# Altium PCB EVK-NORA-W40.PcbDoc (part 1 of 5)
Units mm, origin at the board's own origin, x right, y up, seen from the top; angles counter-clockwise.
Board outline 100 x 70 mm, 6 copper layers (L1, L2, L3, L4, L5, L6), stack 1.547 mm thick; 404 components, 228 nets, 1172 pads, 1349 vias.
Unrouted connection lines stored in the file: 69.
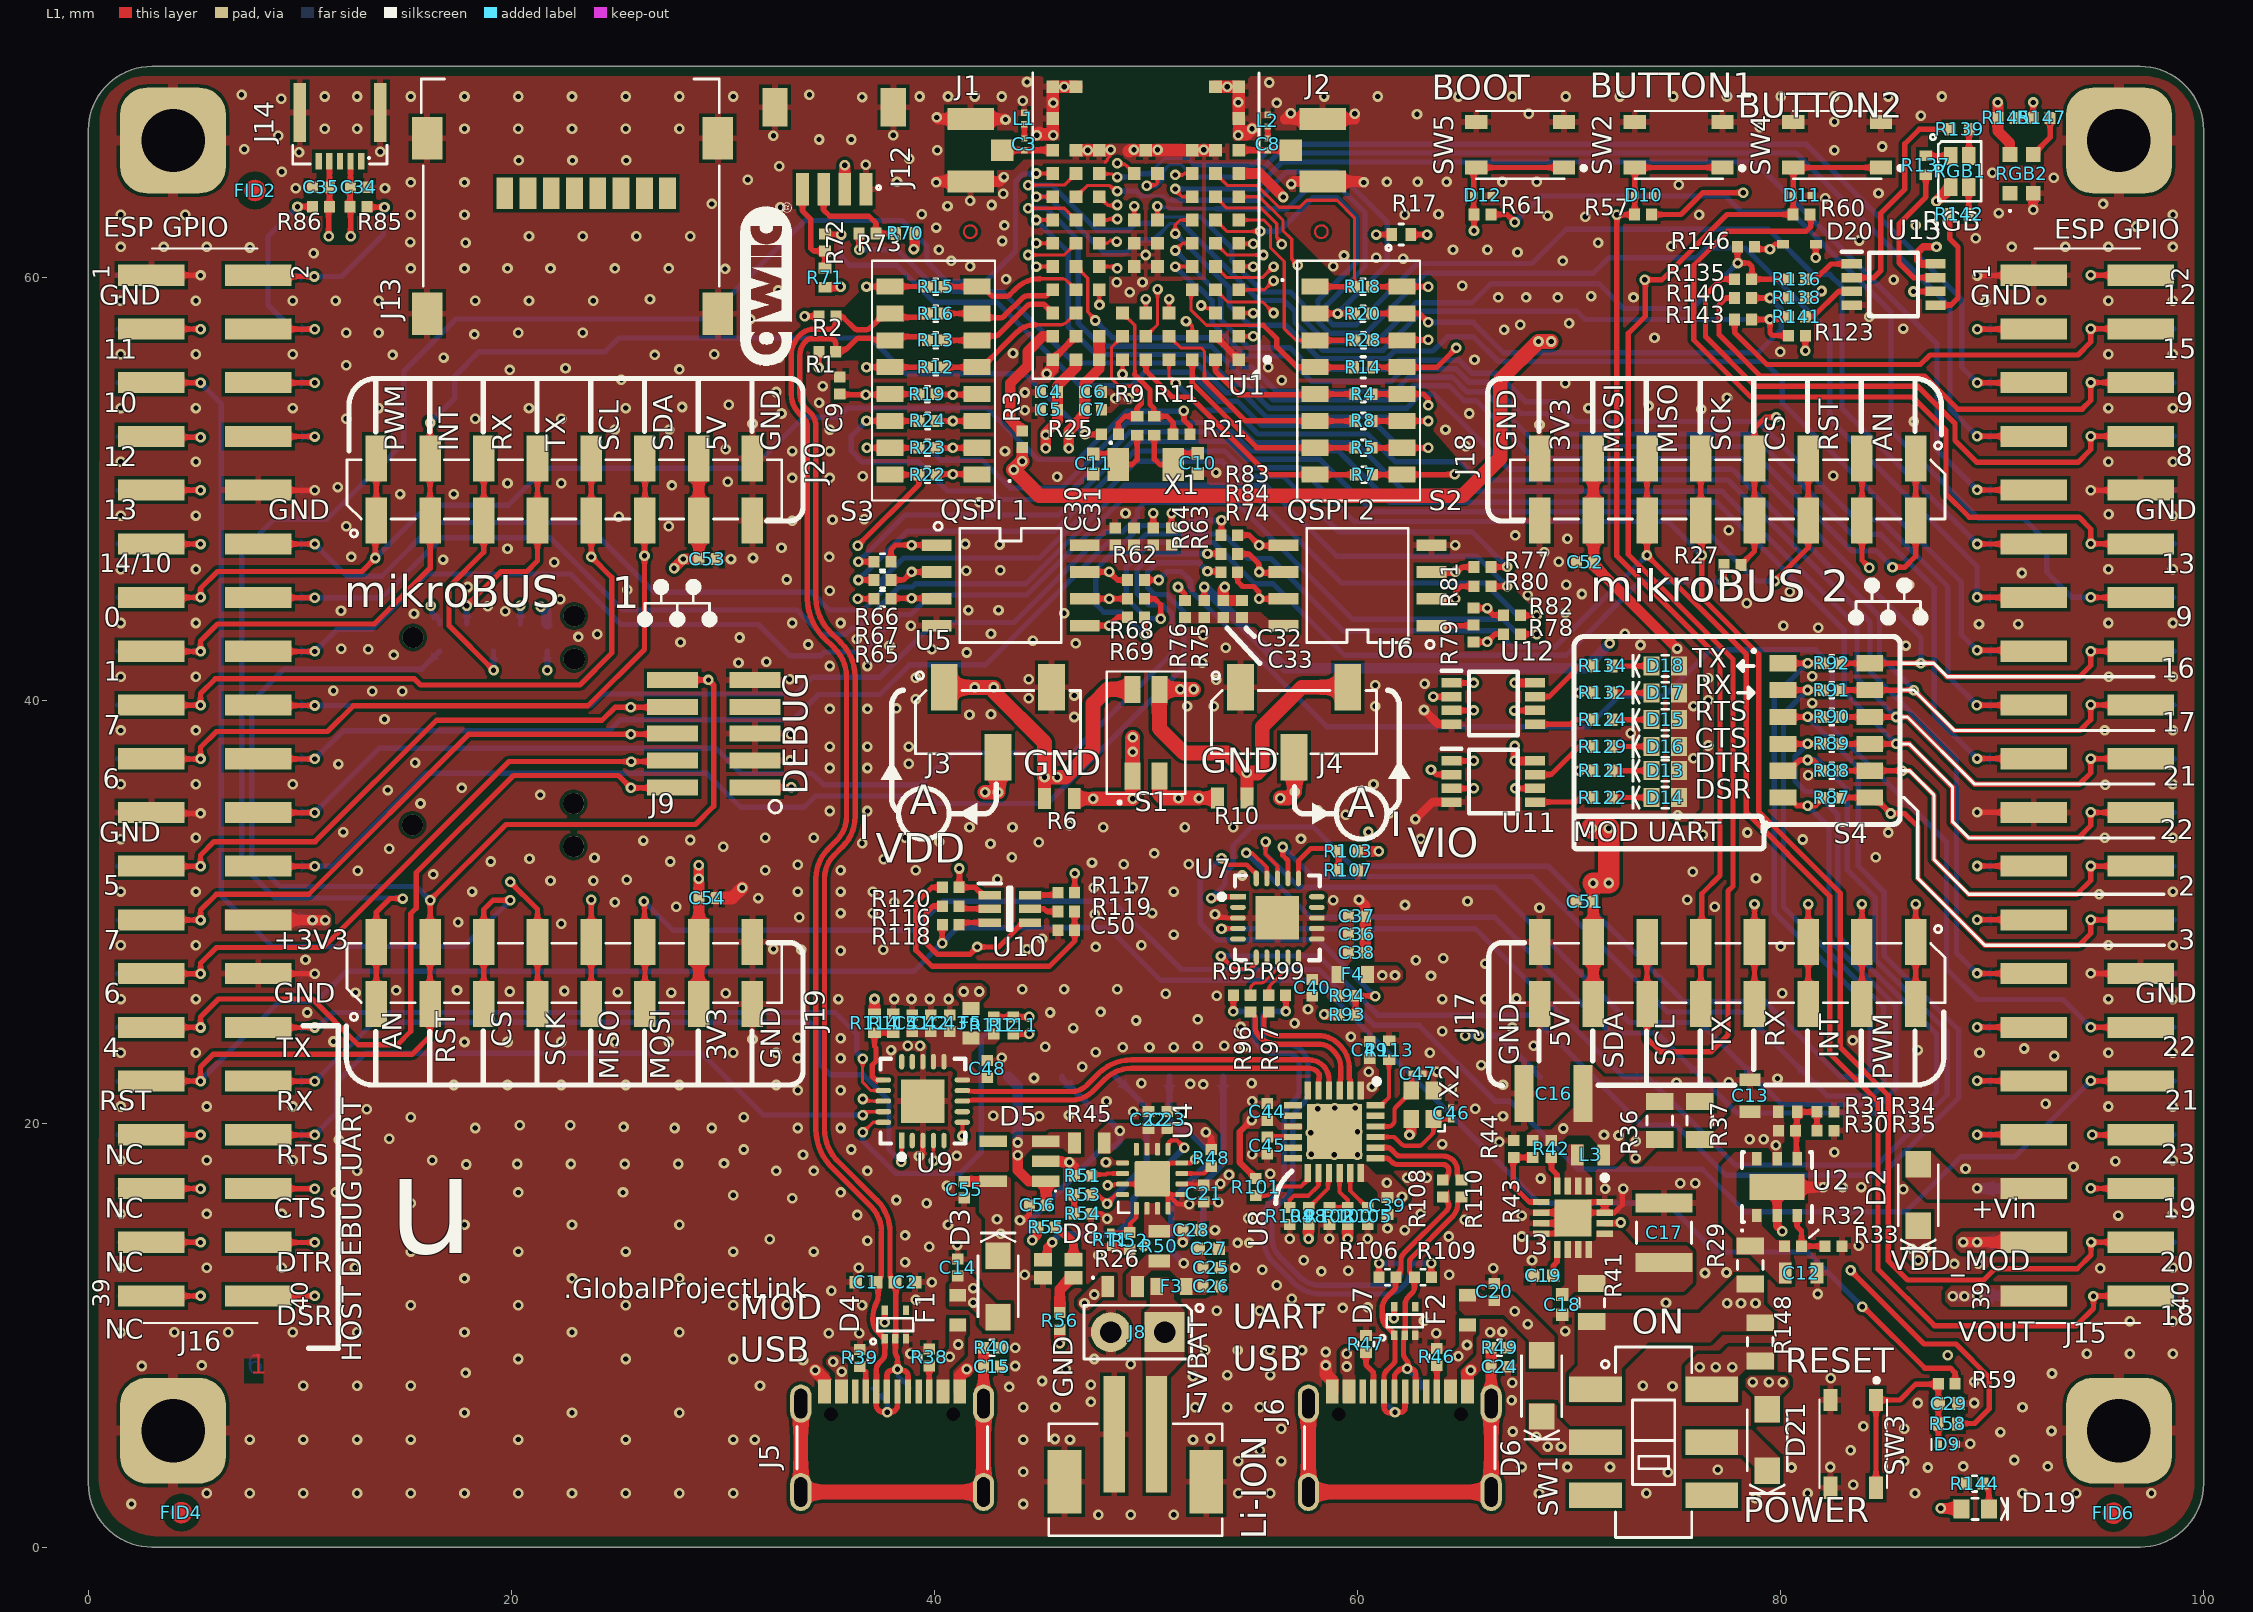
[diagram p0: L1 view]
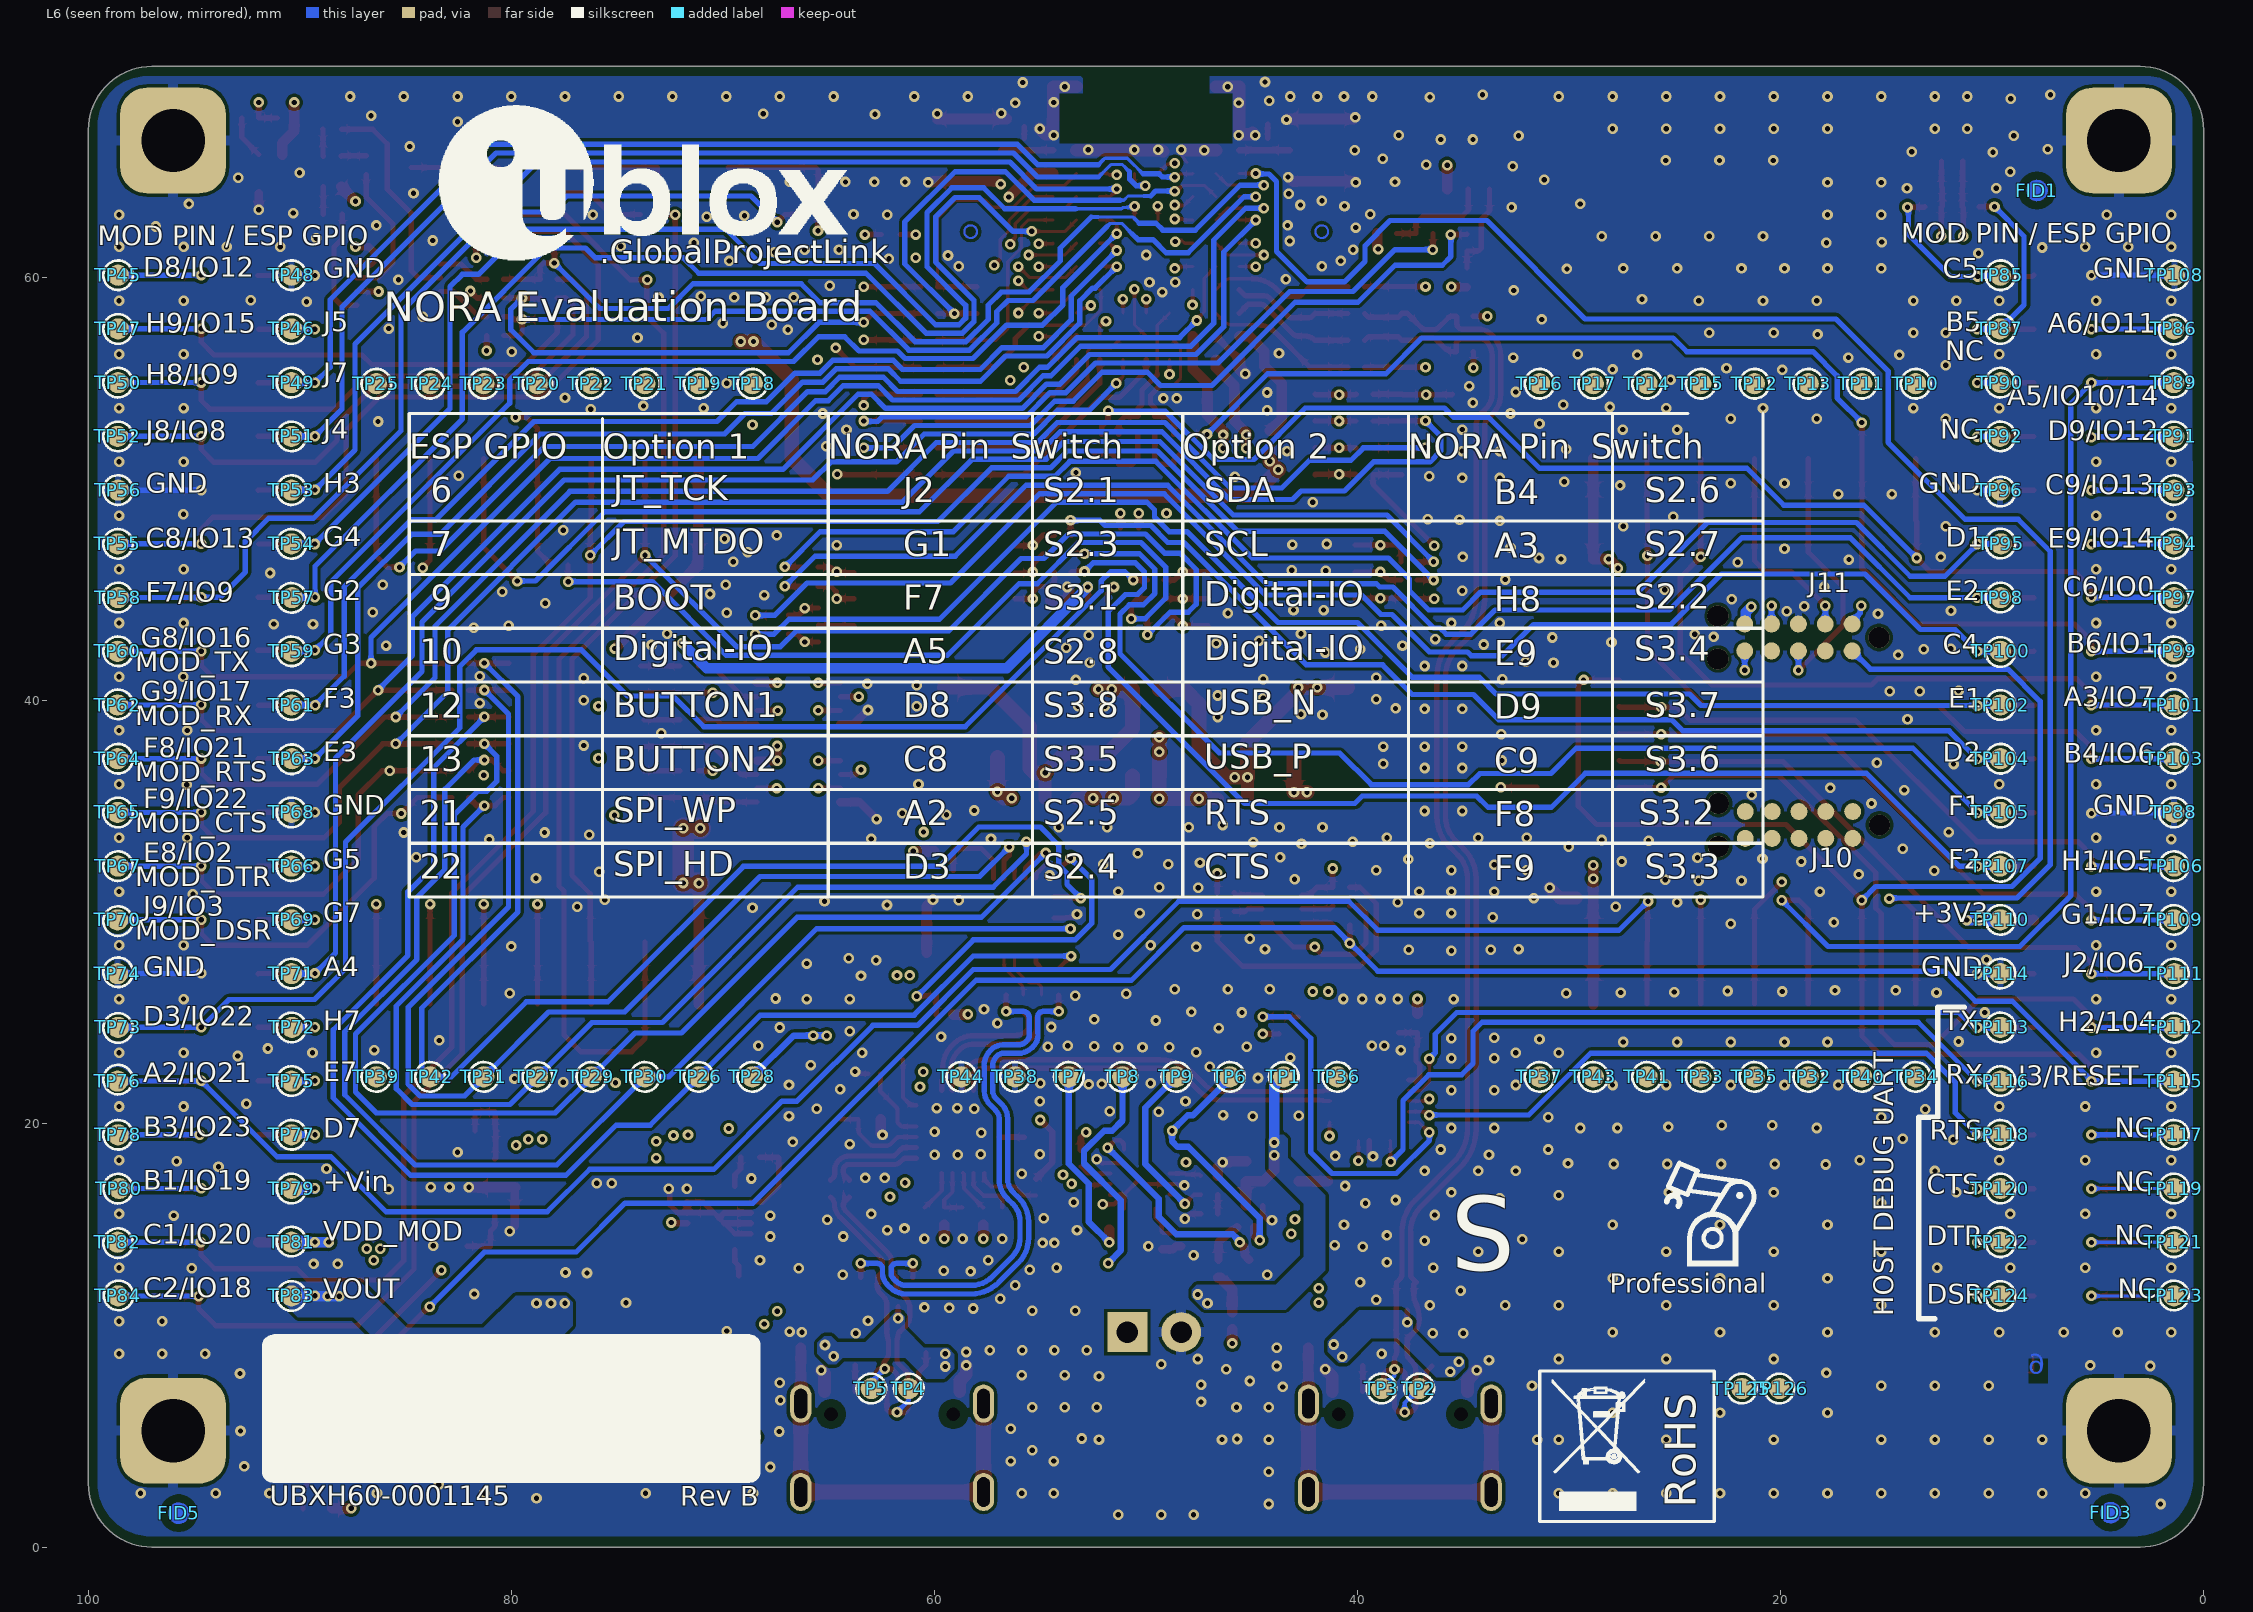
[diagram p1: L6 view, seen from below]
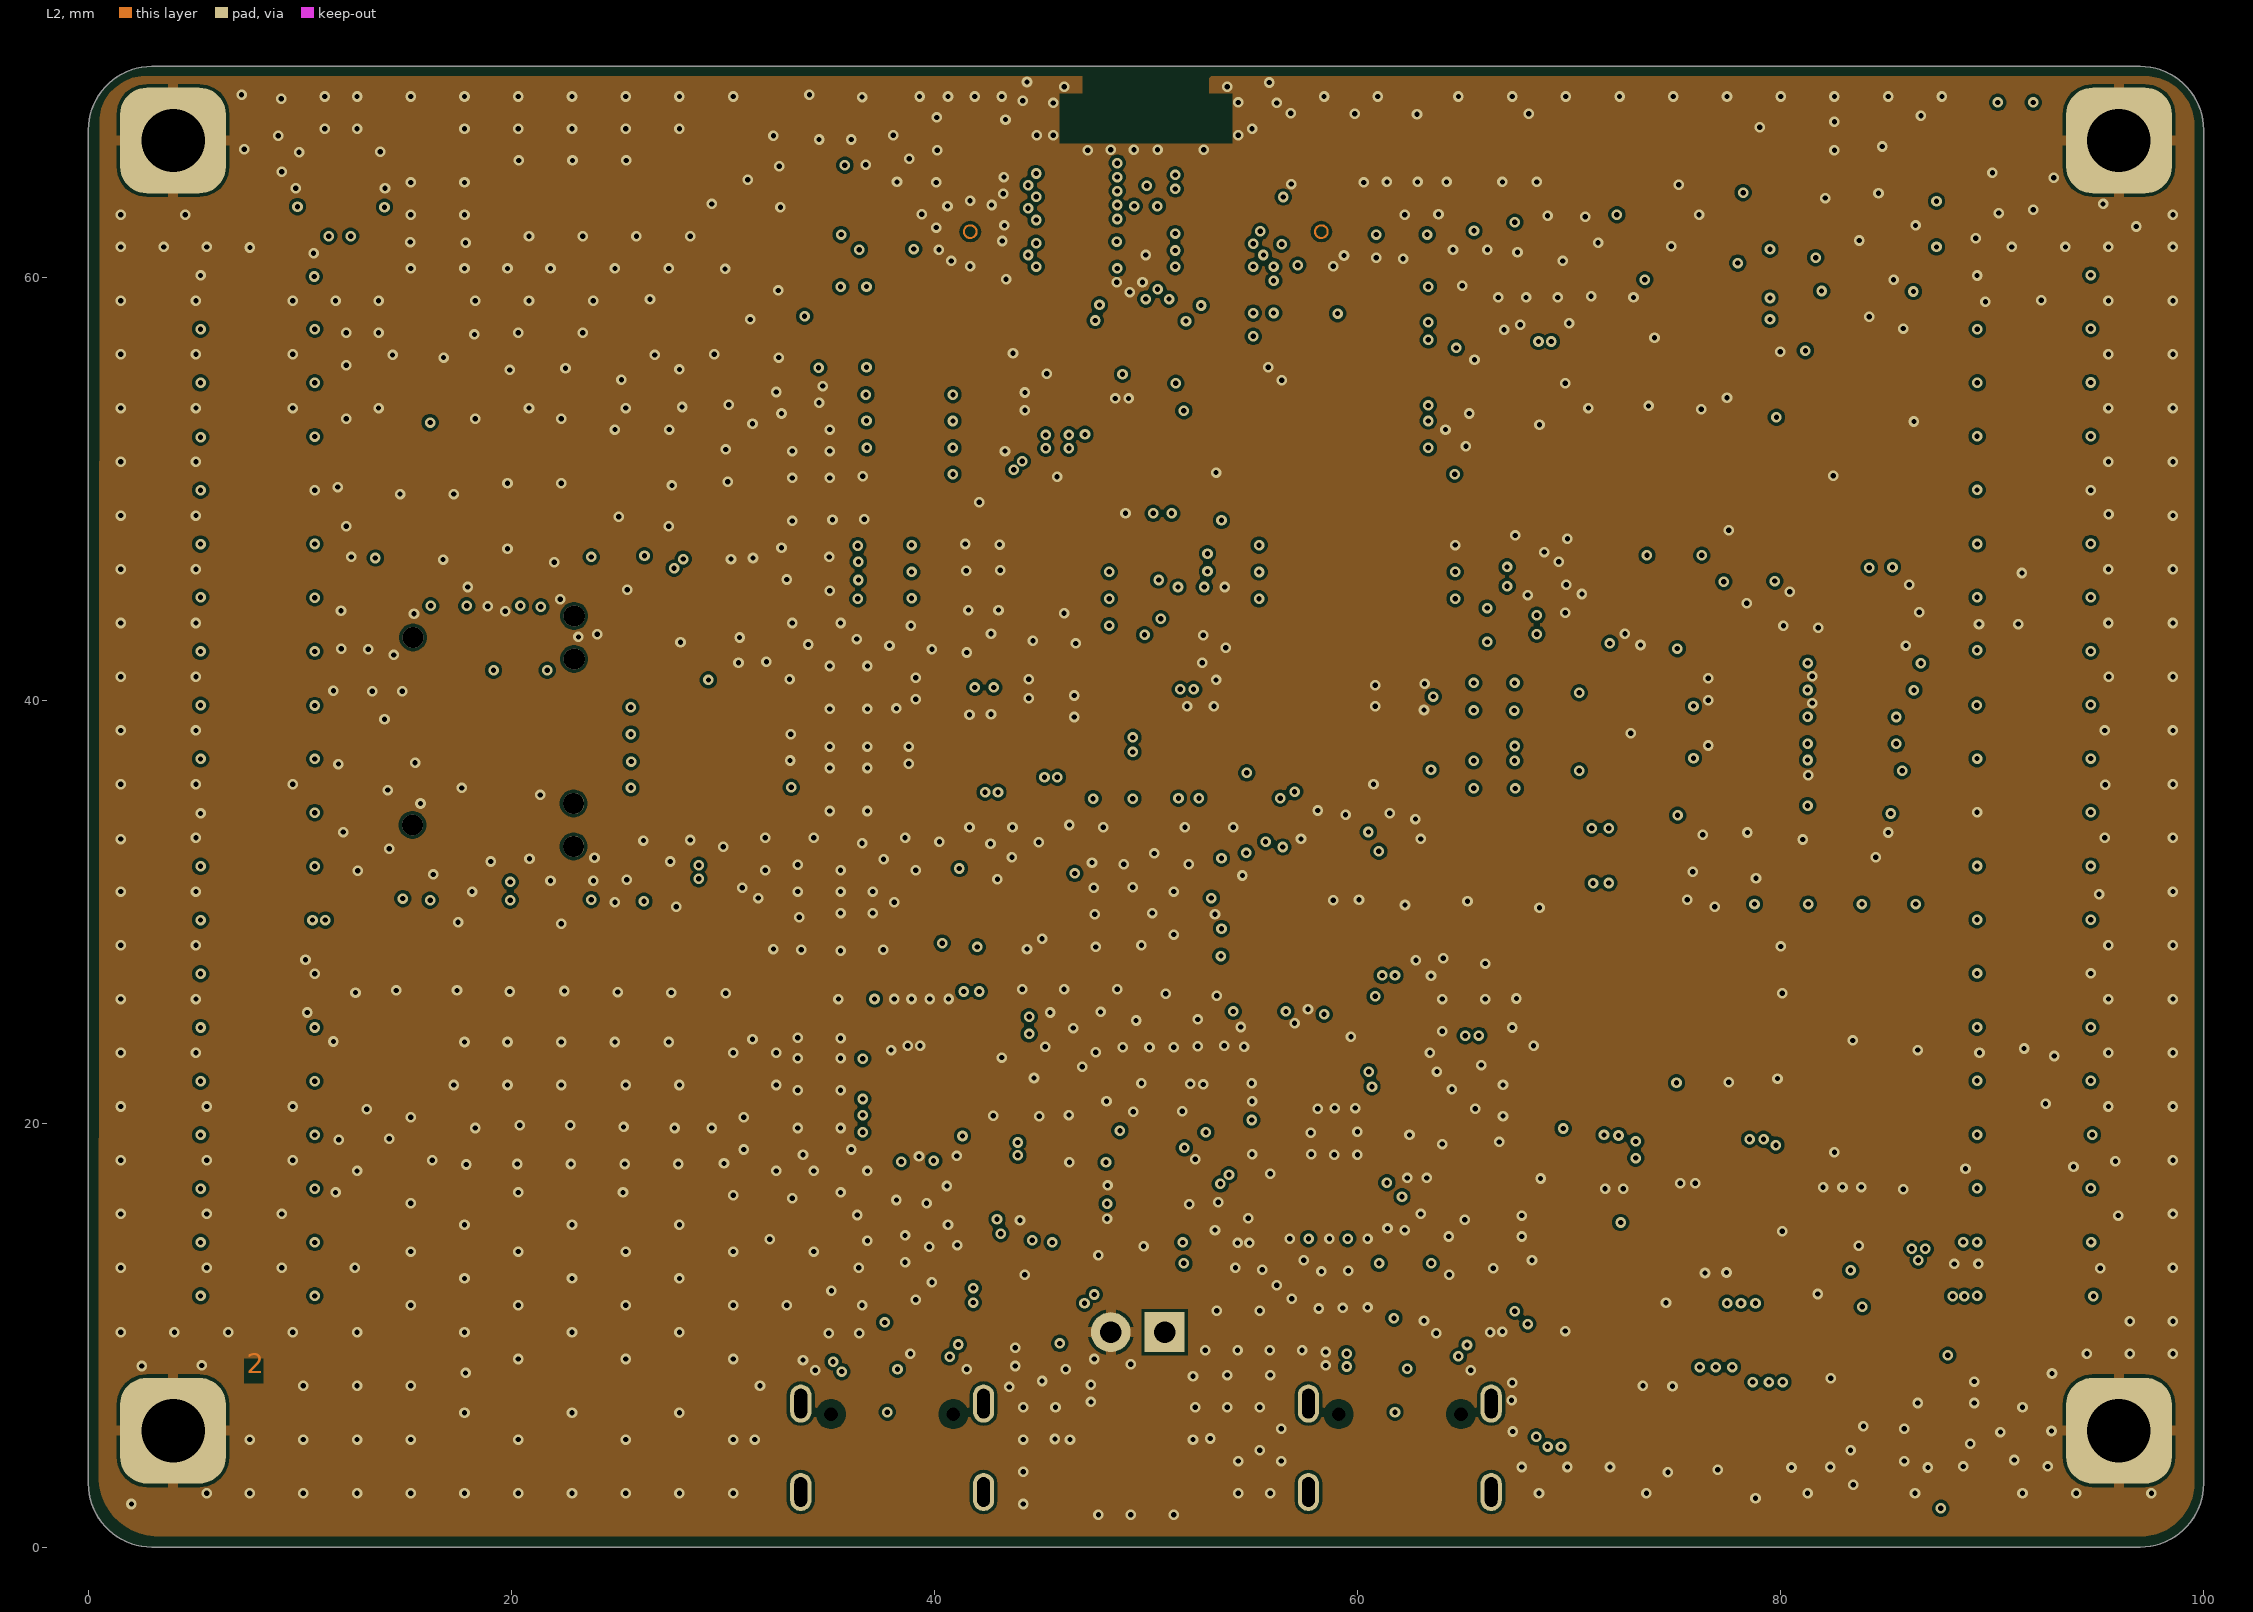
[diagram p2: L2]
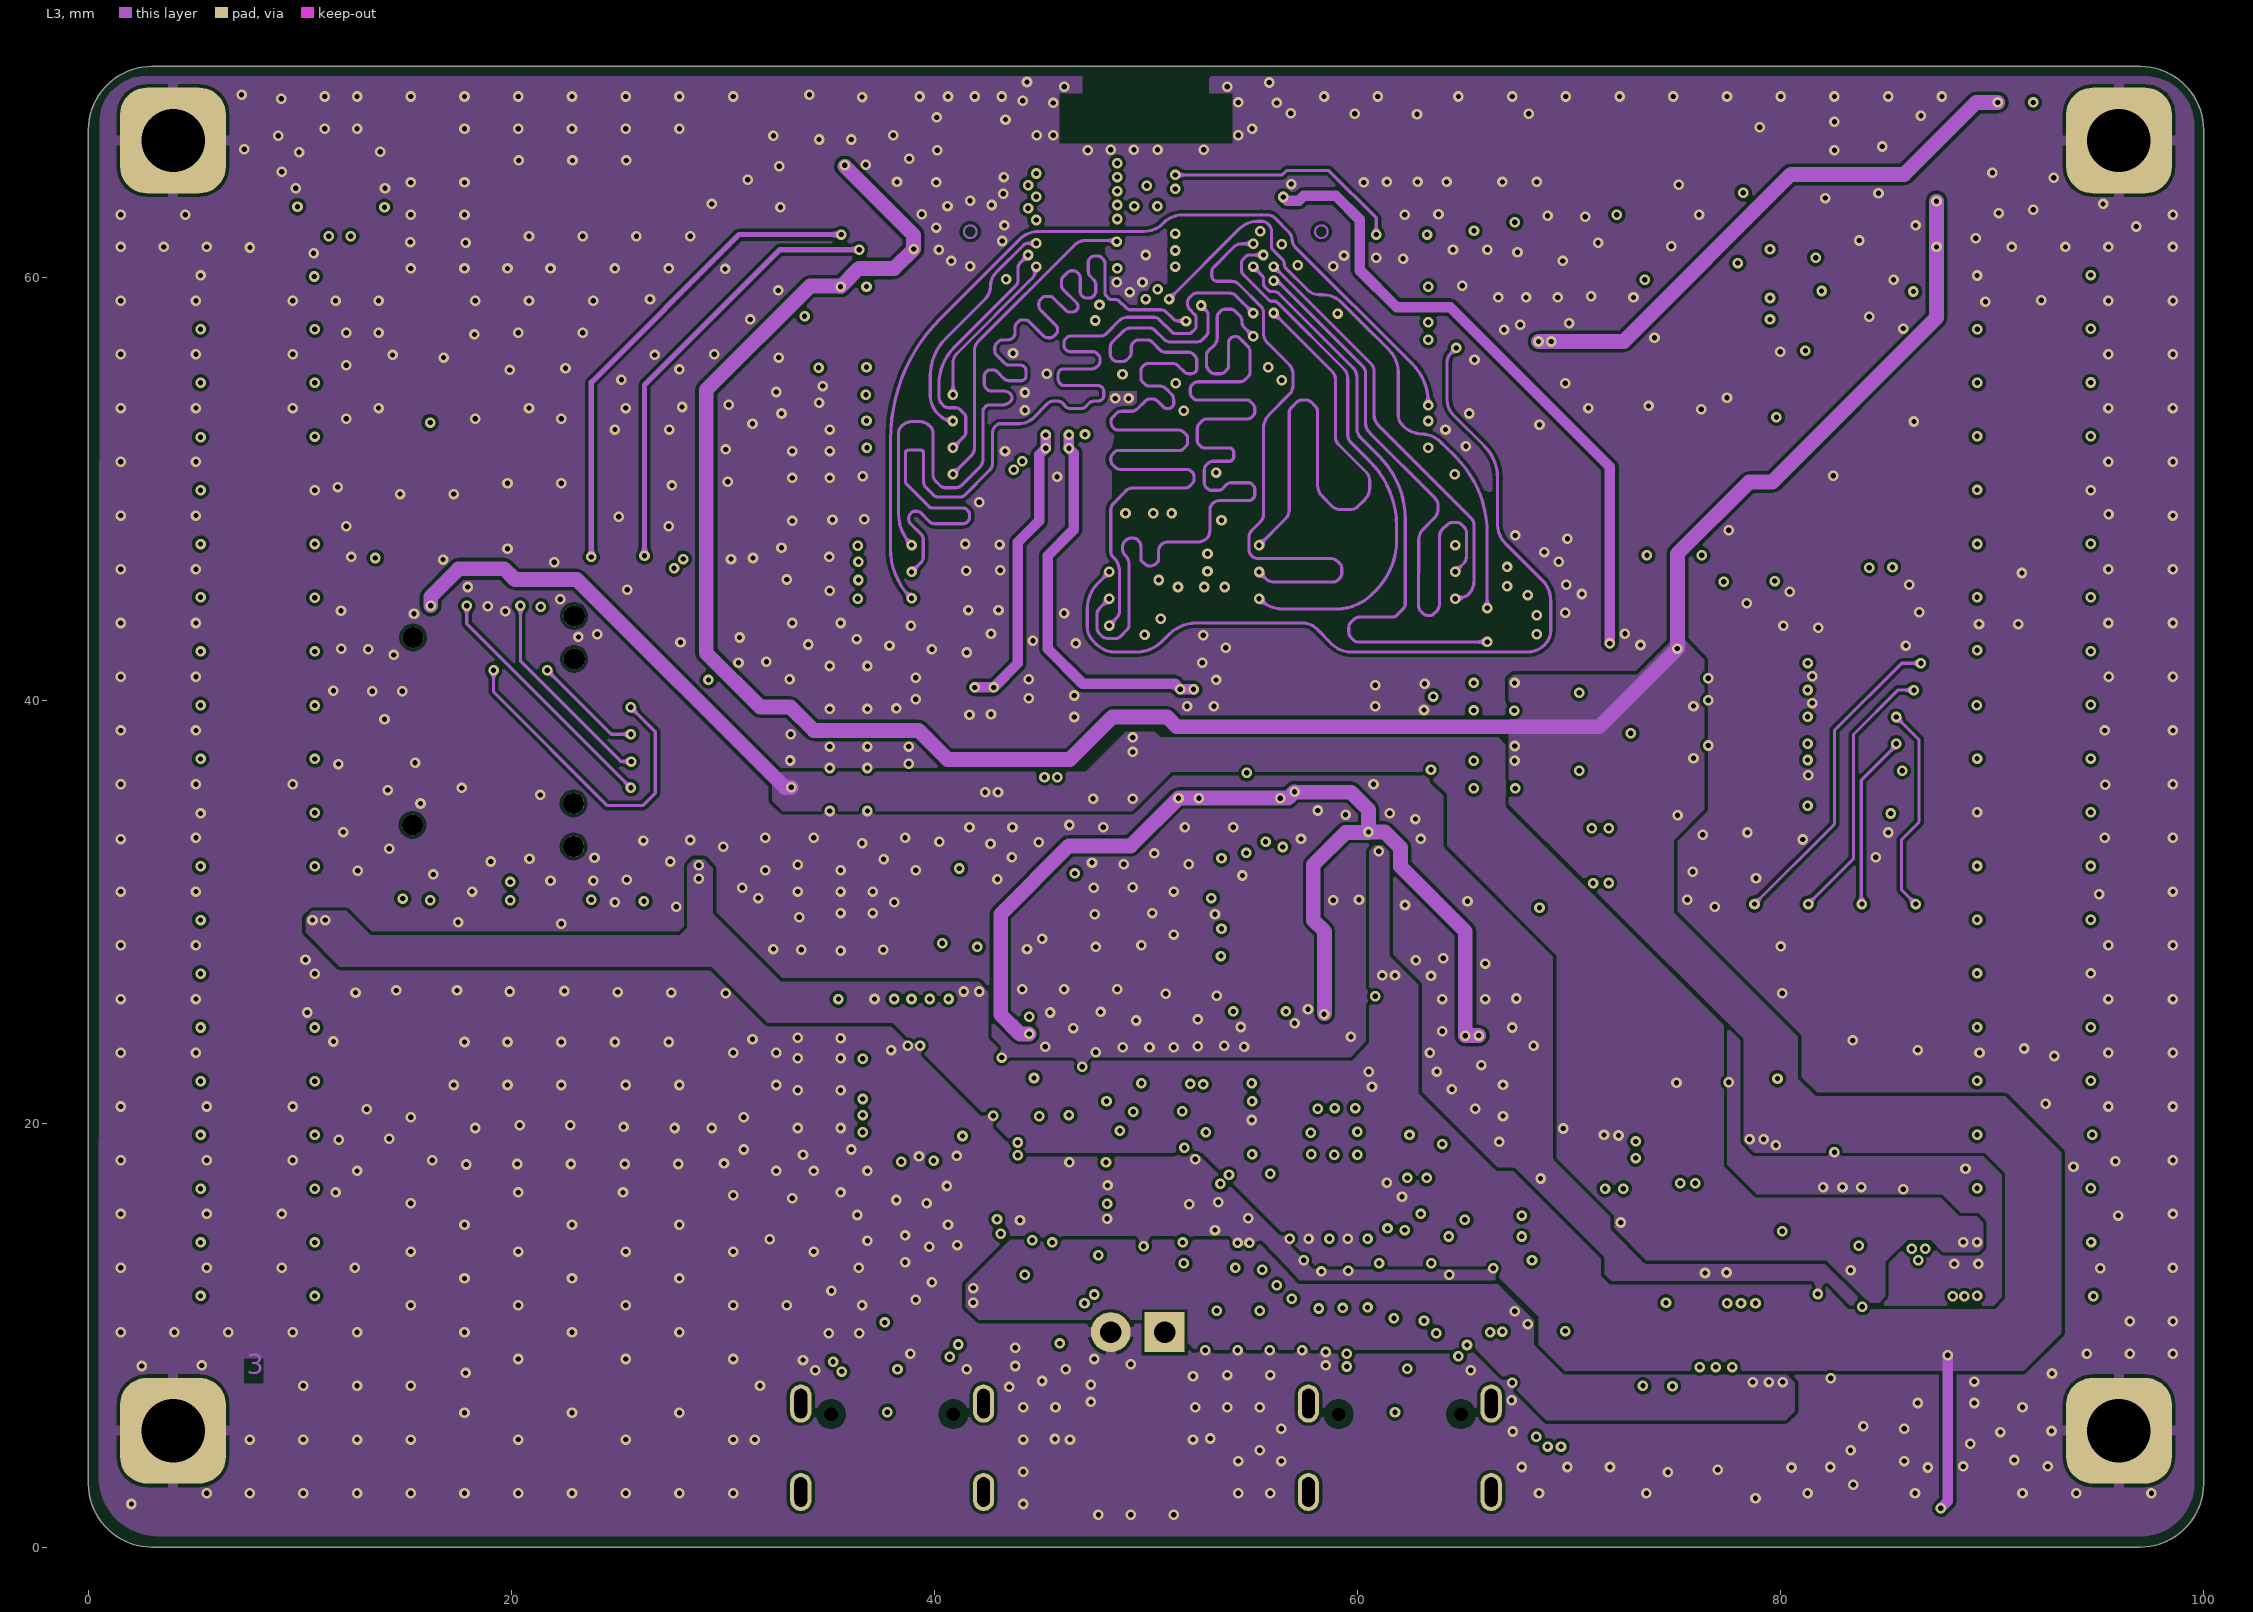
[diagram p3: L3]